# Altium PCB DIO_RJ45.PCBDOC (part 3 of 3) (continued)
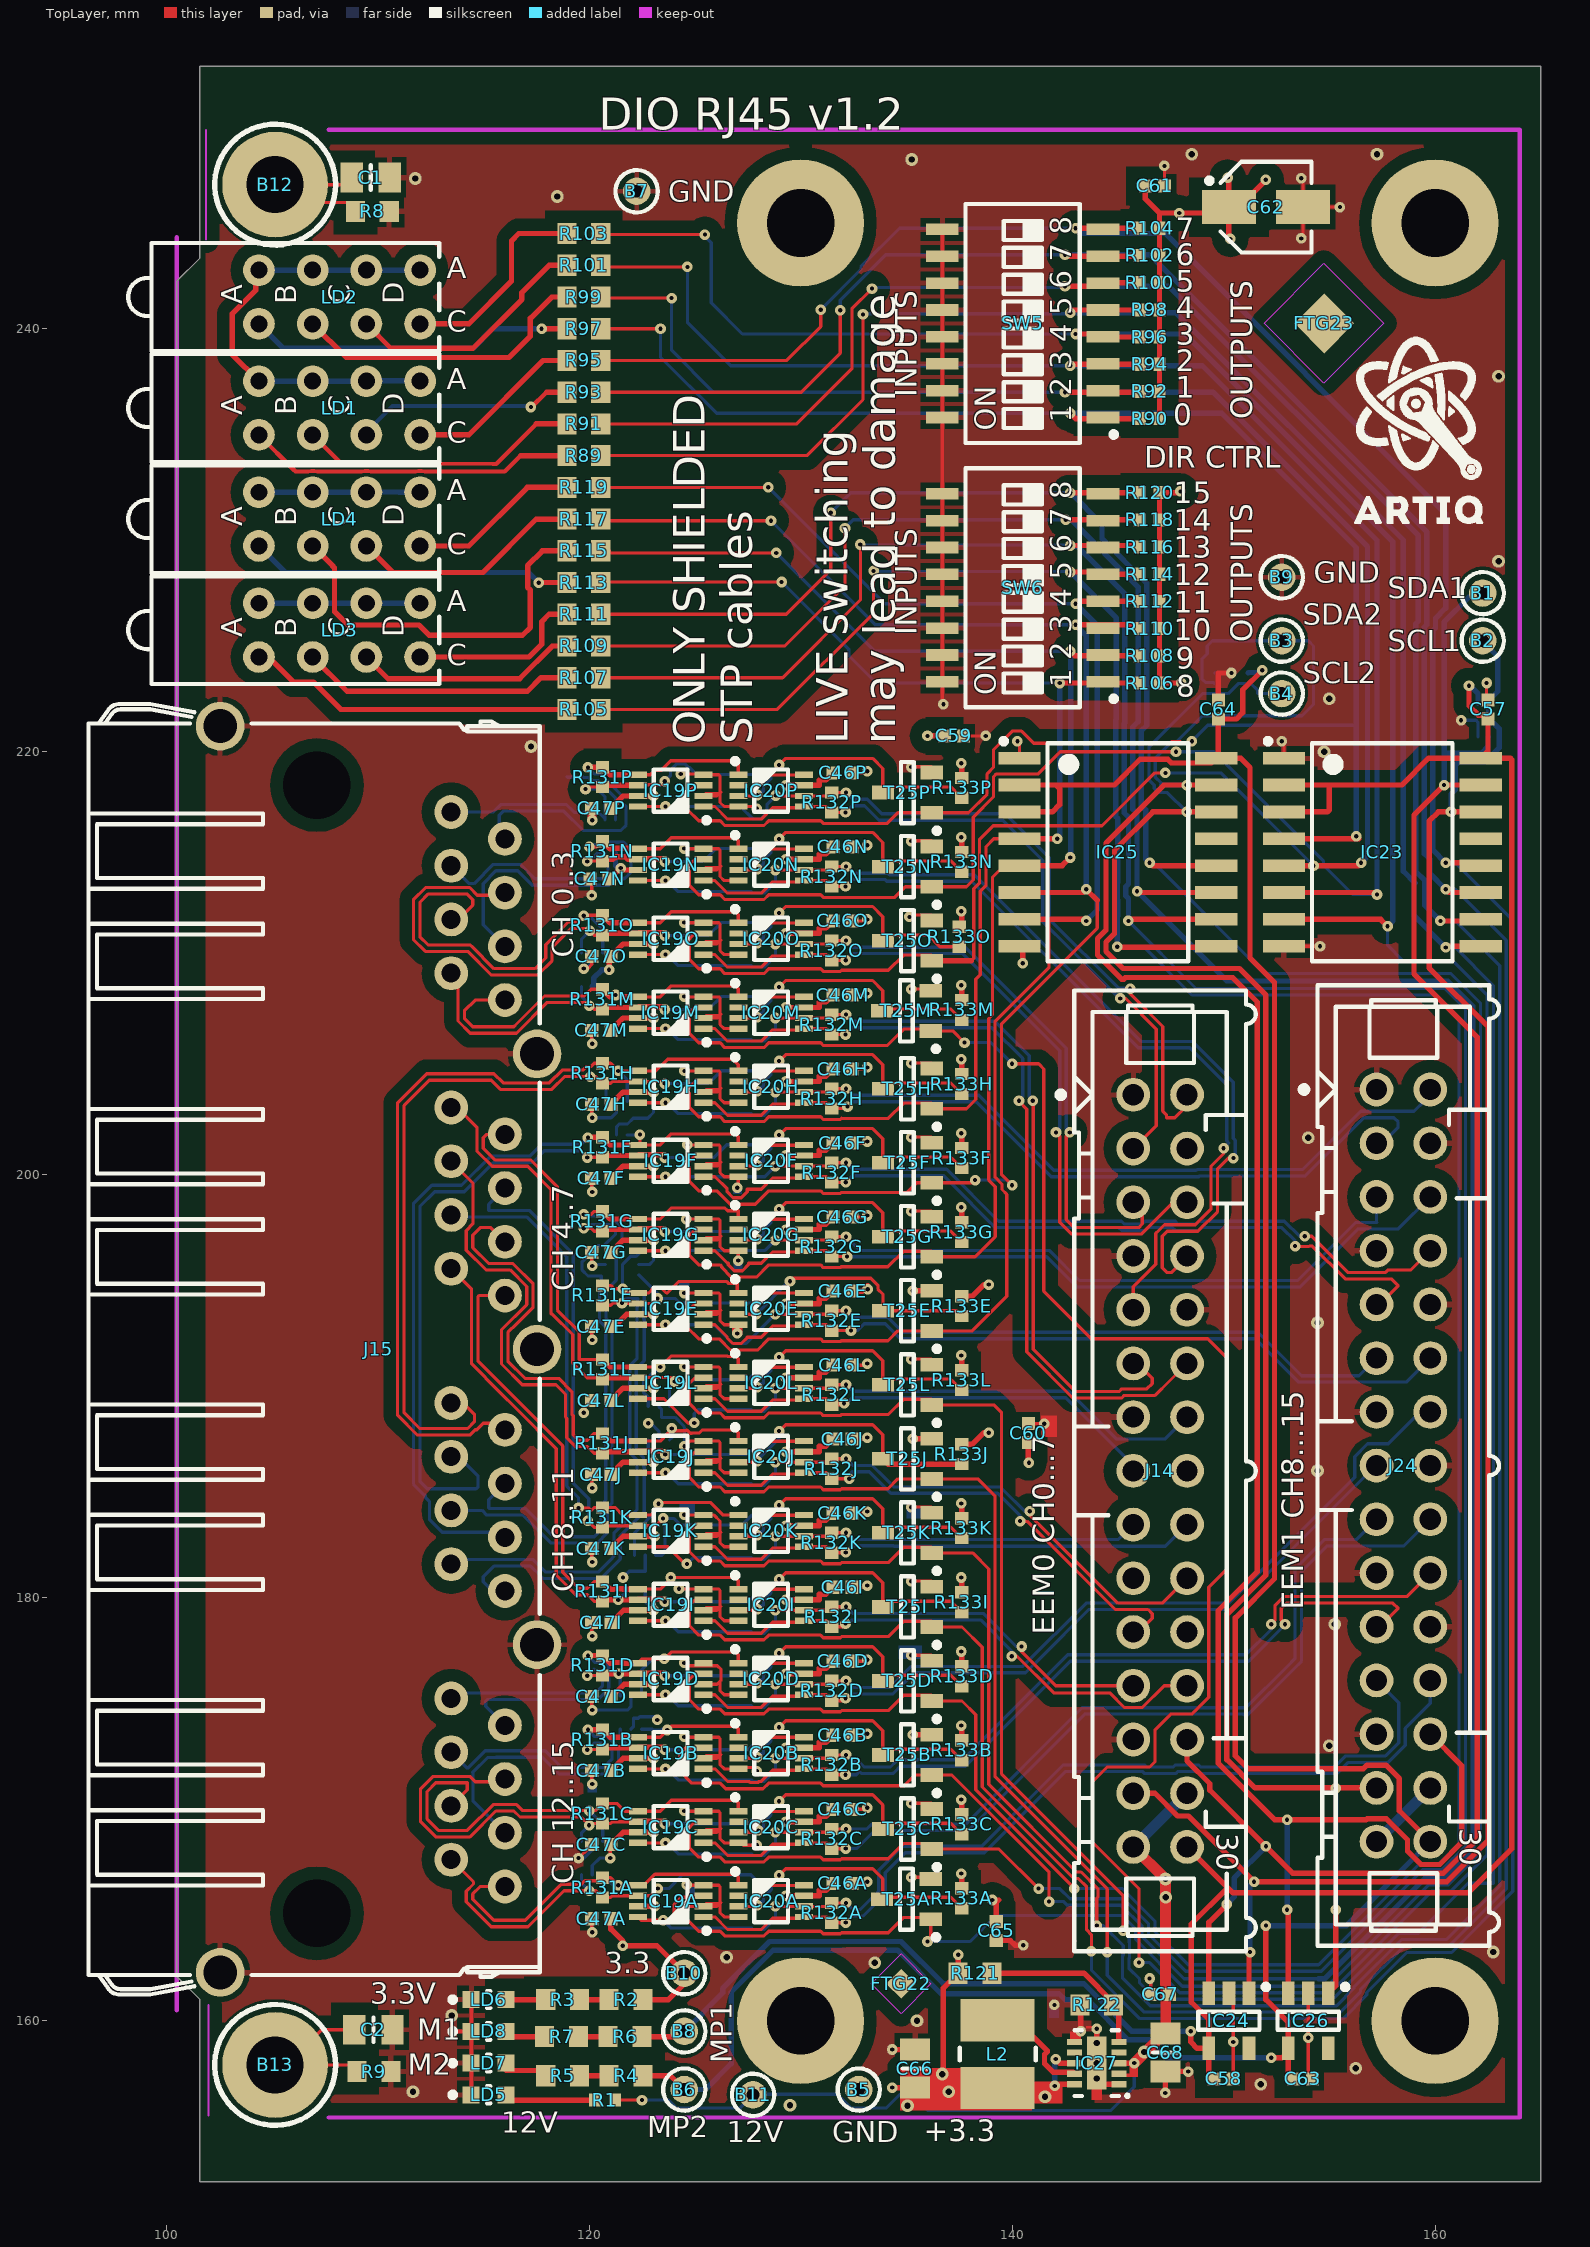
[diagram p0: TopLayer view]
## Nets (pads, with @x,y where several pads share a name; then routed paths per layer and width w, separated by ;. In a path a pad name is that pad's centre, name@x,y a point inside that pad or via, vN(x,y) a via of type N, cw(c..) or ccw(c..) an arc to the next point about the centre after c; other vN are vias at no path point) (continued)
NetIC20E_3: IC20E.3 R133E.1 T25E.3 | length 12.6
  TopLayer w0.152: IC20E.3@127.053,193.41 v1(127.896,193.41) ; v1(129.5,194.96) 129.652,195.112 133.325,195.112 133.657,194.781 133.657,194.593 133.896,194.354 T25E.3@133.896,193.569 137.373,193.569 R133E.1@137.62,193.321
  BottomLayer w0.152: v1(127.896,193.41) 129.446,194.96 v1(129.5,194.96)
NetIC20F_3: IC20F.3 R133F.1 T25F.3 | length 12.7
  TopLayer w0.152: IC20F.3@127.053,200.41 127.896,200.41 v1(127.943,200.457) ; v1(128.984,201.879) 129.289,202.184 133.404,202.184 133.88,201.708 133.88,200.838 137.104,200.838 R133F.1@137.487,200.454
  BottomLayer w0.152: v1(127.943,200.457) 128.121,200.634 128.248,200.634 128.248,200.872 128.599,201.224 128.599,201.494 v1(128.984,201.879)
NetIC20G_3: IC20G.3 R133G.1 T25G.3 | length 12.7
  TopLayer w0.152: IC20G.3@127.053,196.91 127.896,196.91 v1(127.943,196.957) ; v1(128.984,198.379) 129.289,198.684 133.404,198.684 133.88,198.208 133.88,197.338 137.104,197.338 R133G.1@137.487,196.954
  BottomLayer w0.152: v1(127.943,196.957) 128.121,197.134 128.248,197.134 128.248,197.372 128.599,197.724 128.599,197.994 v1(128.984,198.379)
NetIC20H_3: IC20H.3 R133H.1 T25H.3 | length 12.7
  TopLayer w0.152: IC20H.3@127.053,203.91 127.896,203.91 v1(127.943,203.957) ; v1(128.984,205.379) 129.289,205.684 133.404,205.684 133.88,205.208 133.88,204.338 137.104,204.338 R133H.1@137.487,203.954
  BottomLayer w0.152: v1(127.943,203.957) 128.121,204.134 128.248,204.134 128.248,204.372 128.599,204.724 128.599,204.994 v1(128.984,205.379)
NetIC20I_3: IC20I.3 R133I.1 T25I.3 | length 12.7
  TopLayer w0.152: IC20I.3@127.053,179.41 127.896,179.41 v1(127.943,179.457) ; v1(128.984,180.879) 129.289,181.184 133.404,181.184 133.88,180.708 133.88,179.838 137.104,179.838 R133I.1@137.487,179.454
  BottomLayer w0.152: v1(127.943,179.457) 128.121,179.634 128.248,179.634 128.248,179.872 128.599,180.224 128.599,180.494 v1(128.984,180.879)
NetIC20J_3: IC20J.3 R133J.1 T25J.3 | length 12.8
  TopLayer w0.152: IC20J.3@127.053,186.41 v1@127.896,186.41 ; v1(128.984,187.879) 129.289,188.184 133.404,188.184 133.88,187.708 133.88,186.838 T25J.3@133.896,186.838
  TopLayer w0.254: T25J.3@133.896,186.569 134.144,186.321 R133J.1@137.62,186.321 ; R133J.1@137.62,186.234 R133J.1@137.797,186.234
  BottomLayer w0.152: v1(127.943,186.457) 127.943,186.499 128.984,187.541 v1(128.984,187.879)
NetIC20K_3: IC20K.3 R133K.1 T25K.3 | length 12.7
  TopLayer w0.152: IC20K.3@127.053,182.91 127.896,182.91 v1(127.943,182.957) ; v1(128.984,184.379) 129.289,184.684 133.404,184.684 133.88,184.208 133.88,183.338 137.104,183.338 R133K.1@137.487,182.954
  BottomLayer w0.152: v1(127.943,182.957) 128.121,183.134 128.248,183.134 128.248,183.372 128.599,183.724 128.599,183.994 v1(128.984,184.379)
NetIC20L_3: IC20L.3 R133L.1 T25L.3 | length 12.7
  TopLayer w0.152: IC20L.3@127.053,189.91 127.896,189.91 v1(127.943,189.957) ; v1(128.984,191.379) 129.289,191.684 133.404,191.684 133.88,191.208 133.88,190.338 137.104,190.338 R133L.1@137.487,189.954
  BottomLayer w0.152: v1(127.943,189.957) 128.121,190.134 128.248,190.134 128.248,190.372 128.599,190.724 128.599,190.994 v1(128.984,191.379)
NetIC20M_3: IC20M.3 R133M.1 T25M.3 | length 12.7
  TopLayer w0.152: IC20M.3@127.053,207.41 127.896,207.41 v1(127.943,207.457) ; v1(128.984,208.879) 129.289,209.184 133.404,209.184 133.88,208.708 133.88,207.838 137.104,207.838 R133M.1@137.487,207.454
  BottomLayer w0.152: v1(127.943,207.457) 128.121,207.634 128.248,207.634 128.248,207.872 128.599,208.224 128.599,208.494 v1(128.984,208.879)
NetIC20N_3: IC20N.3 R133N.1 T25N.3 | length 12.7
  TopLayer w0.152: IC20N.3@127.053,214.41 127.896,214.41 v1(127.943,214.457) ; v1(128.984,215.879) 129.289,216.184 133.404,216.184 133.88,215.708 133.88,214.838 137.104,214.838 R133N.1@137.487,214.454
  BottomLayer w0.152: v1(127.943,214.457) 128.121,214.634 128.248,214.634 128.248,214.872 128.599,215.224 128.599,215.494 v1(128.984,215.879)
NetIC20O_3: IC20O.3 R133O.1 T25O.3 | length 12.8
  TopLayer w0.152: IC20O.3@127.053,210.91 127.896,210.91 v1(127.943,210.957) ; v1(128.984,212.379) 129.289,212.684 133.404,212.684 133.88,212.208 133.88,211.338 136.027,211.338 136.584,210.78 R133O.1@137.5,210.78
  BottomLayer w0.152: v1(127.943,210.957) 128.121,211.134 128.248,211.134 128.248,211.372 128.599,211.724 128.599,211.994 v1(128.984,212.379)
NetIC20P_3: IC20P.3 R133P.1 T25P.3 | length 12.7
  TopLayer w0.152: IC20P.3@127.053,217.91 127.896,217.91 v1(127.943,217.957) ; v1(128.984,219.379) 129.289,219.684 133.404,219.684 133.88,219.208 133.88,218.338 137.104,218.338 R133P.1@137.487,217.954
  BottomLayer w0.152: v1(127.943,217.957) 128.121,218.134 128.248,218.134 128.248,218.372 128.599,218.724 128.599,218.994 v1(128.984,219.379)
NetIC27_5: IC27.5 R121.1 R122.2 | length 8.3
  TopLayer w0.254: R121.1@139.05,162.25 143.388,162.25 144.8,160.838 R122.2@144.8,160.75 145.05,160.5 IC27.5@145.05,159
NetIC27_9: IC27.9 L2.1 | length 5.2
  TopLayer w0.254: L2.1@139.319,160.02 140.234,160.02 141.656,158.598 141.656,158.533 141.533,158.41 141.533,157.972 141.934,157.571 142.879,157.571 IC27.9@142.95,157.5
NetLD1_1: LD1.1 R89.1 | length 15.6
  TopLayer w0.203: LD1.1@104.39,234.98 106.061,233.31 106.12,233.25 106.712,233.25 cw(c106.93,232.27) 107.148,233.25 109.252,233.25 cw(c109.47,232.27) 109.688,233.25 111.792,233.25 cw(c112.01,232.27) 112.228,233.25 116.014,233.25 116.764,234
  TopLayer w0.254: 116.764,234 R89.1@118.95,234
NetLD1_3: LD1.3 R91.1 | length 13.4
  TopLayer w0.203: LD1.3@106.93,234.98 108.245,233.665 108.303,233.607 108.472,233.607 109.436,233.629 cw(c109.47,232.27) 109.473,233.63 112.007,233.63 cw(c112.01,232.27) 112.02,233.63 115.438,233.606 115.606,233.606 117.5,235.5
  TopLayer w0.254: 117.5,235.5 R91.1@118.95,235.5
NetLD1_5: LD1.5 R93.1 | length 10.4
  TopLayer w0.203: v1@117.267,236.283 117.983,237
  TopLayer w0.254: 117.983,237 R93.1@118.95,237
  BottomLayer w0.203: LD1.5@109.47,234.98 109.47,235.12 110.7,236.35 117.2,236.35 v1(117.25,236.3)
NetLD1_7: LD1.7 R95.1 | length 8.4
  TopLayer w0.254: LD1.7@112.01,234.98 114.31,234.98 117.83,238.5 R95.1@118.95,238.5
NetLD2_1: LD2.1 R97.1 | length 15.4
  TopLayer w0.254: v1(117.754,240.005) 117.759,240 R97.1@118.95,240
  BottomLayer w0.254: LD2.1@104.39,240.23 105.545,239.075 114.505,239.075 115.434,240.005 v1(117.754,240.005)
NetLD2_3: LD2.3 R99.1 | length 14.4
  TopLayer w0.254: LD2.3@106.93,240.23 108.52,238.64 116.212,238.64 117.225,239.653 117.225,240.488 118.237,241.5 R99.1@118.95,241.5
NetLD2_5: LD2.5 R101.1 | length 11.8
  TopLayer w0.254: LD2.5@109.47,240.23 110.623,239.077 114.507,239.077 116.819,241.389 116.819,241.709 118.11,243 R101.1@118.95,243
NetLD2_7: LD2.7 R103.1 | length 9.8
  TopLayer w0.254: LD2.7@112.01,240.23 114.31,240.23 116.332,242.252 116.332,244.157 116.674,244.5 R103.1@118.95,244.5
NetLD3_1: LD3.1 R105.1 | length 15.6
  TopLayer w0.254: LD3.1@104.39,224.48 104.842,224.48 106.022,223.3 106.962,223.3 108.262,222 R105.1@118.95,222
NetLD3_3: LD3.3 R107.1 | length 13
  TopLayer w0.254: LD3.3@106.93,224.48 108.55,222.86 117.089,222.86 117.729,223.5 R107.1@118.95,223.5
NetLD3_5: LD3.5 R109.1 | length 10.5
  TopLayer w0.254: LD3.5@109.47,224.48 110.5,223.45 116.712,223.45 118.262,225 R109.1@118.95,225
NetLD3_7: LD3.7 R111.1 | length 8.4
  TopLayer w0.254: LD3.7@112.01,224.48 117.157,224.48 117.754,225.077 117.754,226.144 118.11,226.5 R111.1@118.95,226.5
NetLD4_1: LD4.1 R113.1 | length 15.3
  TopLayer w0.254: v1(117.621,227.99) 117.612,228 R113.1@118.95,228
  BottomLayer w0.254: LD4.1@104.39,229.73 105.645,228.475 117.137,228.475 v1(117.621,227.99)
NetLD4_3: LD4.3 R115.1 | length 18.5
  TopLayer w0.254: LD4.3@106.93,229.73 107.885,228.775 107.959,228.701 107.959,226.625 108.594,225.991 111.955,225.991 112.445,225.501 116.84,225.501 117.221,225.882 117.221,227.642 117.092,227.771 117.092,228.799 117.792,229.5 R115.1@118.95,229.5
NetLD4_5: LD4.5 R117.1 | length 11
  TopLayer w0.254: LD4.5@109.47,229.73 110.725,228.475 114.975,228.475 117.5,231 R117.1@118.95,231
NetLD4_7: LD4.7 R119.1 | length 8.1
  TopLayer w0.254: LD4.7@112.01,229.73 114.31,229.73 117.08,232.5 R119.1@118.95,232.5
NetLD5_2: LD5.2 R1.1 | length 4.2
  TopLayer w0.254: LD5.2@116.075,156.25 R1.1@120.28,156.25
NetLD6_2: LD6.2 R3.2 | length 1.9
  TopLayer w0.254: LD6.2@116.075,161 R3.2@117.95,161
NetLD7_2: LD7.2 R5.2 | length 2
  TopLayer w0.254: LD7.2@116.075,157.65 117.7,157.65 R5.2@117.95,157.4
NetLD8_2: LD8.2 R7.2 | length 1.9
  TopLayer w0.254: LD8.2@116.025,159.25 R7.2@117.9,159.25
NetR2_2: R2.2 R3.1 | length 1.4
  TopLayer w0.254: R3.1@119.55,161 R2.2@120.95,161
NetR4_2: R4.2 R5.1 | length 1.4
  TopLayer w0.254: R5.1@119.55,157.4 R4.2@120.95,157.4
NetR6_2: R6.2 R7.1 | length 1.4
  TopLayer w0.254: R7.1@119.5,159.25 R6.2@120.9,159.25
P3V3: B10.1 C46A.2 C46B.2 C46C.2 C46D.2 C46E.2 C46F.2 C46G.2 C46H.2 C46I.2 C46J.2 C46K.2 C46L.2 C46M.2 C46N.2 C46O.2 C46P.2 C47A.2 C47B.2 C47C.2 C47D.2 C47E.2 C47F.2 C47G.2 C47H.2 C47I.2 C47J.2 C47K.2 C47L.2 C47M.2 C47N.2 C47O.2 C47P.2 C59.2 C60.2 C61.2 C62.1 C65.2 C66.2 D1.5 D2.5 D3.5 D4.5 D5.5 D6.5 D7.5 D8.5 IC19A.7 IC19B.7 IC19C.7 IC19D.7 IC19E.7 IC19F.7 IC19G.7 IC19H.7 IC19I.7 IC19J.7 IC19K.7 IC19L.7 IC19M.7 IC19N.7 IC19O.7 IC19P.7 IC20A.7 IC20B.7 IC20C.7 IC20D.7 IC20E.7 IC20F.7 IC20G.7 IC20H.7 IC20I.7 IC20J.7 IC20K.7 IC20L.7 IC20M.7 IC20N.7 IC20O.7 IC20P.7 IC27.8 IC27.10 L2.2 LD1.2 LD1.4 LD1.6 LD1.8 LD2.2 LD2.4 LD2.6 LD2.8 LD3.2 LD3.4 LD3.6 LD3.8 LD4.2 LD4.4 LD4.6 LD4.8 R2.1 R90.2 R92.2 R94.2 R96.2 R98.2 R100.2 R102.2 R104.2 R106.2 R108.2 R110.2 R112.2 R114.2 R116.2 R118.2 R120.2 R121.2 R133A.2 R133B.2 R133C.2 R133D.2 R133E.2 R133F.2 R133G.2 R133H.2 R133I.2 R133J.2 R133K.2 R133L.2 R133M.2 R133N.2 R133O.2 R133P.2 | length 198.7
  TopLayer w0.152: v1(120.995,167.691) 120.995,168.294 C47C.2@121.027,168.326
  TopLayer w0.254: LD1.2@104.39,237.52 103.125,238.785 103.125,240.7 104.247,241.822 104.247,242.627 LD2.2@104.39,242.77 ; v1(120.945,209.691) 120.945,210.244 121.611,210.91 v1(123.045,210.91) ; C47N.2@120.95,213.992 120.992,213.992 v1(121.497,214.497) ; C47A.2@121.027,164.826 121.027,164.334 121.593,163.768 v1(121.593,163.551) 123.199,163.551 B10.1@124.5,162.25 124.5,161.75 123.75,161 R2.1@122.55,161 ; C47C.2@121.027,168.326 121.611,168.91 IC19C.7@122.304,168.91 v1(123.045,168.91) ; C47B.2@121.027,171.826 121.611,172.41 v1(123.045,172.41) ; C47D.2@121.027,175.326 121.064,175.326 121.649,175.91 IC19D.7@122.304,175.91 v1(123.045,175.91) ; C47I.2@121.027,178.826 121.049,178.826 121.633,179.41 IC19I.7@122.304,179.41 v1(123.045,179.41) ; C47K.2@121.027,182.326 121.611,182.91 IC19K.7@122.304,182.91 v1(123.106,182.91) ; C47J.2@121.027,185.826 121.611,186.41 IC19J.7@122.304,186.41 v1(123.045,186.41) ; C47L.2@121.027,189.326 121.611,189.91 IC19L.7@122.304,189.91 v1(123.045,189.91) ; C47E.2@121.027,192.826 121.199,192.826 121.783,193.41 IC19E.7@122.304,193.41 v1(123.045,193.41) ; C47G.2@121.027,196.326 121.611,196.91 v1(123.045,196.91) ; C47F.2@121.027,199.826 121.611,200.41 IC19F.7@122.304,200.41 v1(123.045,200.41) ; C47H.2@121.027,203.326 121.611,203.91 IC19H.7@122.304,203.91 v1(123.045,203.91) ; C47M.2@121.027,206.826 121.611,207.41 IC19M.7@122.304,207.41 v1(123.045,207.41) ; C47N.2@121.027,213.826 C47N.2@121.072,213.87 ; C47P.2@121.027,217.326 121.611,217.91 IC19P.7@122.304,217.91 v1(123.045,217.91) ; v1@121.611,214.41 IC19N.7@122.304,214.41 ; IC19A.7@122.304,165.41 v1(123.106,165.41) ; v1(129.311,165.91) IC20A.7@130.153,165.91 130.884,165.91 130.884,166.166 131.199,166.166 C46A.2@131.532,166.498 ; v1(129.311,169.41) IC20C.7@130.153,169.41 130.884,169.41 130.884,169.666 131.199,169.666 C46C.2@131.532,169.998 ; v1(129.311,172.91) IC20B.7@130.153,172.91 130.884,172.91 130.884,173.166 131.199,173.166 C46B.2@131.532,173.498 ; v1(129.311,176.41) IC20D.7@130.153,176.41 130.884,176.41 130.884,176.666 131.199,176.666 C46D.2@131.532,176.998 ; v1(129.311,179.91) IC20I.7@130.153,179.91 130.884,179.91 130.884,180.166 131.199,180.166 C46I.2@131.532,180.498 ; v1(129.311,183.41) IC20K.7@130.153,183.41 130.884,183.41 130.884,183.666 131.199,183.666 C46K.2@131.532,183.998 ; v1(129.311,186.91) IC20J.7@130.153,186.91 130.884,186.91 130.884,187.166 131.199,187.166 C46J.2@131.532,187.498 ; v1(129.311,190.41) IC20L.7@130.153,190.41 130.884,190.41 130.884,190.666 131.199,190.666 C46L.2@131.532,190.998 ; v1(129.311,193.91) IC20E.7@130.153,193.91 130.884,193.91 130.884,194.166 131.199,194.166 C46E.2@131.532,194.498 ; v1(129.311,197.41) IC20G.7@130.153,197.41 130.884,197.41 130.884,197.666 131.199,197.666 C46G.2@131.532,197.998 ; v1(129.311,200.91) IC20F.7@130.153,200.91 130.884,200.91 130.884,201.166 131.199,201.166 C46F.2@131.532,201.498 ; v1(129.311,204.41) IC20H.7@130.153,204.41 130.884,204.41 130.884,204.666 131.199,204.666 C46H.2@131.532,204.998 ; v1(129.311,207.91) IC20M.7@130.153,207.91 130.884,207.91 130.884,208.166 131.199,208.166 C46M.2@131.532,208.498 ; v1(129.311,211.41) 130.884,211.41 130.884,211.666 131.199,211.666 C46O.2@131.532,211.998 ; v1(129.311,214.91) IC20N.7@130.153,214.91 130.884,214.91 130.884,215.166 131.199,215.166 C46N.2@131.532,215.498 ; v1(129.311,218.41) IC20P.7@130.153,218.41 130.884,218.41 130.884,218.666 131.199,218.666 C46P.2@131.532,218.998 ; v1(134.33,156.843) C66.2@135.407,156.843 ; v1(136,220.75) C59.2@136.8,220.75 ; v1(137.45,163.127) R121.2@137.45,162.25 136.75,161.55 136.75,157.407 137.338,156.82 L2.2@139.319,156.82 ; v1(137.595,166.959) 137.62,166.934 R133A.2@137.62,166.261 ; v1(137.595,170.459) 137.62,170.434 R133C.2@137.62,169.761 ; v1(137.595,173.959) 137.62,173.934 R133B.2@137.62,173.261 ; v1(137.595,177.459) 137.62,177.434 R133D.2@137.62,176.761 ; v1(137.595,180.959) 137.62,180.934 R133I.2@137.62,180.261 ; v1(137.595,184.459) 137.62,184.434 R133K.2@137.62,183.761 ; v1(137.595,191.459) 137.62,191.434 R133L.2@137.62,190.761 ; v1(137.595,198.459) 137.62,198.434 R133G.2@137.62,197.761 ; v1(137.595,201.959) 137.62,201.934 R133F.2@137.62,201.261 ; v1(137.595,205.459) 137.62,205.434 R133H.2@137.62,204.761 ; v1(137.595,208.959) 137.62,208.934 R133M.2@137.62,208.261 ; v1(137.595,212.459) 137.62,212.434 R133O.2@137.62,211.761 ; v1(137.595,215.959) 137.62,215.934 R133N.2@137.62,215.261 ; v1(137.595,219.459) 137.62,219.434 R133P.2@137.62,218.761 ; R133J.2@137.62,187.261 138.122,187.261 138.668,187.807 v1(138.895,187.807) ; R133E.2@137.62,194.261 138.122,194.261 138.668,194.807 v1(138.895,194.807) ; L2.2@138.25,156.9 139.599,156.9 L2.2@139.519,156.82 ; v1(139.065,165.71) 139.36,165.71 139.25,165.6 C65.2@139.25,164.7 ; L2.2@139.599,156.9 139.499,157 IC27.10@142.95,157 ; C60.2@140.767,187.332 140.767,186.411 v1(140.792,186.385) ; v1(142.062,158.191) 142.253,158 IC27.8@142.95,158 ; C61.2@146.3,246.75 146.3,246.14 146.97,245.47 ; R90.2@146.97,235.75 R92.2@146.97,237.036 R94.2@146.97,238.321 R96.2@146.97,239.607 R98.2@146.97,240.893 R100.2@146.97,242.179 R102.2@146.97,243.464 R104.2@146.97,244.75 146.97,245.47 ; v1(147.955,232.308) 147.897,232.25 R120.2@146.97,232.25 R118.2@146.97,230.964 R116.2@146.97,229.679 R114.2@146.97,228.393 R112.2@146.97,227.107 R110.2@146.97,225.821 R108.2@146.97,224.536 R106.2@146.97,223.25 v1(148,223.25) ; v1(150.19,247.145) 150.25,247.086 C62.1@150.25,245.75 ; v1(150.317,244.246) 150.25,244.314 C62.1@150.25,245.75 ; v1(151.994,247.04) 150.703,245.75 C62.1@150.25,245.75 ; 146.97,245.47 v1(147.904,245.47) 149.97,245.47 C62.1@150.25,245.75
  BottomLayer w0.152: D8.5@120.145,166.901 120.145,167.341 120.495,167.691 v1(120.995,167.691) ; D5.5@121.3,201.885 121.3,202.277 121.421,202.399 121.814,202.399 122.09,202.675 122.775,202.675 123.045,202.945 v1(123.045,203.91) ; D7.5@121.975,173.785 122.096,173.906 122.096,174.299 122.324,174.299 122.4,174.375 123.075,174.375 v1(123.225,174.225) ; D6.5@122.345,195.764 122.864,195.764 123.045,195.945 v1(123.045,196.91) ; D4.5@122.65,180.435 122.65,179.805 v1(123.045,179.41) ; v1(122.8,188.25) 122.925,188.25 123.3,187.875 D3.5@123.3,187.46
  BottomLayer w0.254: LD3.2@104.39,227.02 LD3.6@109.47,227.02 109.47,227.025 111.004,227.025 111.009,227.02 LD3.8@112.01,227.02 ; LD4.2@104.39,232.27 LD4.6@109.47,232.27 109.47,232.283 110.996,232.283 111.009,232.27 LD4.8@112.01,232.27 ; LD1.2@104.39,237.52 LD1.6@109.47,237.52 109.491,237.541 111.989,237.541 LD1.8@112.01,237.52 ; LD2.2@104.39,242.77 LD2.6@109.47,242.77 109.47,242.773 110.473,242.773 110.476,242.77 LD2.8@112.01,242.77 ; LD1.4@106.93,237.495 LD1.4@106.93,237.52 ; D2.5@120.145,208.901 120.216,208.971 120.216,209.301 120.605,209.691 v1(120.945,209.691) ; D1.5@121.25,215.21 121.25,214.612 121.365,214.497 v1(121.497,214.497) ; v1(142.011,156.921) 142.011,158.14 v1(142.062,158.191)
  other v2: 135.052,155.981 141.554,156.413 137.008,156.642 137.008,156.642 136.703,157.48
P3V3_MP1: B8.1 C57.2 C58.2 D9.5 IC23.2 IC23.3 IC23.16 IC24.4 J14.30 R6.1 | length 129.9
  TopLayer w0.254: R6.1@122.5,159.25 124.25,159.25 B8.1@124.5,159.5 ; J14.30@148.27,168.22 150.25,166.24 ; v1(148.45,159.5) 148.45,159 148.75,158.7 IC24.4@149.3,158.7 ; C58.2@149.55,157.25 149.3,157.5 IC24.4@149.3,158.7 ; IC23.3@152.85,217.155 154.905,217.155 155,217.25 155,218.425 ; IC23.2@152.85,218.425 158.425,218.425 159.695,219.695 IC23.16@162.15,219.695 ; v1(161.6,223.125) 161.6,222.175 162.042,221.733 162.317,221.733 C57.2@162.5,221.55 162.5,220.045 IC23.16@162.15,219.695 ; IC24.4@149.3,158.7 149.3,160.055 148.47,160.885 148.47,164.569 150.141,166.24 150.25,166.24 ; 150.25,166.24 150.442,166.048 161.548,166.048 163.619,168.119 163.619,219.631 163.555,219.695 IC23.16@162.15,219.695
  BottomLayer w0.254: B8.1@124.5,159.5 126.314,161.314 126.314,161.527 128.538,163.75 134.75,163.75 136.75,161.75 143.4,161.75 145.643,159.507 146.662,159.507 146.669,159.5 v1(148.45,159.5) ; v1(161.6,223.125) 161.655,223.125 162.025,222.755 D9.5@162.025,222.28
P3V3_MP2: B6.1 C63.2 C64.2 D10.5 IC25.2 IC25.3 IC25.16 IC26.4 J24.30 R4.1 | length 135.9
  TopLayer w0.254: R4.1@122.55,157.4 123.85,157.4 B6.1@124.5,156.75 ; IC25.3@140.35,217.155 141.905,217.155 142.25,217.5 142.25,218.25 142.075,218.425 ; IC25.2@140.35,218.425 142.075,218.425 ; v1(151.825,223.85) 150.9,222.925 150.9,221.85 150.6,221.55 C64.2@149.75,221.55 149.75,219.795 IC25.16@149.65,219.695 ; v1(152,164.5) 152,161 153.05,159.95 IC26.4@153.05,158.7 IC26.4@153.05,158.55 ; v1(152.25,158.25) 152.75,158.25 IC26.4@153.05,158.55 ; C63.2@153.3,157.25 153.05,157.5 IC26.4@153.05,158.55 ; J24.30@159.77,168.47 158.309,169.931 158.309,171.457 157.677,172.089 156.783,172.089 156.612,171.918 151.156,171.918 150.556,172.519 150.556,179.05 152.406,180.901 152.406,209.094 151.25,210.25 151.25,219.25 150.805,219.695 IC25.16@149.65,219.695 ; 142.075,218.425 144.831,218.425 146.051,219.644 147.357,219.644 147.531,219.471 149.426,219.471 IC25.16@149.65,219.695
  BottomLayer w0.254: B6.1@124.5,156.75 125.5,156.75 126.721,157.971 126.721,161.358 128.706,163.344 134.571,163.344 136.635,161.279 142.219,161.279 142.498,161 143.575,161 145.475,159.101 146.493,159.101 146.833,158.761 146.833,158.667 147.25,158.25 v1(152.25,158.25) ; D10.5@151.158,223.724 151.181,223.747 151.656,223.747 151.758,223.85 v1(151.825,223.85) ; v1(152,164.5) 155.8,164.5 J24.30@159.77,168.47
P12V0: B11.1 C67.2 C68.2 IC27.2 IC27.3 J14.28 J14.29 J24.28 J24.29 R1.2 | length 46.9
  TopLayer w0.152: R1.2@121.22,156.25 v1(122.5,156.25)
  TopLayer w0.254: IC27.3@145.05,158 v1(145.777,158)
  TopLayer w0.508: J14.29@145.73,168.22 v2(147.25,166.7) 147.25,161.745 147.266,161.745 147.266,159.416 C68.2@147.25,159.4 147.183,159.4 145.783,158 v1(145.777,158)
  BottomLayer w0.152: v1(122.5,156.25) 123.757,156.25 124.136,155.871 127.121,155.871 B11.1@127.75,156.5 127.778,156.528 131.729,156.528 132.386,155.871 134.036,155.871 134.675,156.51 135.271,156.51 136.028,155.753 144.653,155.753 145.777,156.877 v1(145.777,158)
  BottomLayer w0.508: J14.29@145.73,168.22 J14.28@148.27,170.76 ; J24.29@157.23,168.47 J24.28@159.77,171.01
  other v2: 146.253,158.521 147.269,165.837
pads on no net: D9.3 D9.4 D10.3 D10.4 FTG21.FTG2 FTG22.1 FTG23.1 FTG24.1 IC20A.2 IC20B.2 IC20C.2 IC20D.2 IC20E.2 IC20F.2 IC20G.2 IC20H.2 IC20I.2 IC20J.2 IC20K.2 IC20L.2 IC20M.2 IC20N.2 IC20O.2 IC20P.2 IC23.13 IC24.5 IC25.13 IC26.5 IC27.4 IC27.7 J15.M1 J15.M2

## Polygon pours and split planes (outlines as drawn)
GND on TopLayer "Top Overlay-No Net" (solid, remove dead copper, pour order 0): 165,249.4 165,155.4 101.879,155.4 101.879,249.4
GND on BottomLayer "Top Overlay-No Net" (solid, remove dead copper, pour order 2): 165.006,155.55 101.27,155.55 101.27,249.375 165.195,249.375
GND on Internal Plane 1 (split plane): 164.49,152.91 102.11,152.91 102.11,161 102.101,161.1 102.072,161.195 102.024,161.284 101.961,161.361 101.01,162.311 101.01,242.039 101.961,242.989 102.024,243.066 102.072,243.155 102.101,243.25 102.11,243.35 102.11,251.889 164.49,251.889
P12V0 on Internal Plane 2 (split plane): 161.849,170.937 161.849,167.313 159.937,165.401 150.25,165.401 150.211,165.396 150.174,165.381 150.143,165.357 148.614,163.828 148.59,163.796 148.574,163.76 148.569,163.721 148.569,156.783 147.36,155.574 144.222,155.574 143.208,156.588 143.208,158.143 143.203,158.182 143.188,158.219 143.164,158.25 142.577,158.837 142.546,158.861 142.51,158.876 142.47,158.881 140.915,158.881 139.901,159.895 139.901,167.187 144.563,171.849 160.937,171.849
P3V3 on Internal Plane 2 (split plane): 164.49,152.91 102.11,152.91 102.11,161 102.101,161.1 102.072,161.195 102.024,161.284 101.961,161.361 101.01,162.311 101.01,242.039 101.961,242.989 102.024,243.066 102.072,243.155 102.101,243.25 102.11,243.35 102.11,251.889 164.49,251.889

## Keep-outs
KeepOutLayer:
  lines w0.1: 101.879,244.229 101.879,249.4 ; 102,155.521 102,160.75
  lines w0.203: 100.5,160.503 100.5,244.323 ; 107.696,155.423 164,155.423 164,249.403 107.696,249.403

## Other copper
TopLayer:
  rectangle net GND: 141.375,187.6 142.125,188.625
  rectangle net GND: 141.5,187.788 141.677,188.5
  rectangle net P12V0: 145.05,157.353 145.948,157.5
  rectangle net P12V0: 145.542,157.378 145.948,158.039
  rectangle net GND: 142.748,158.979 143.25,159.5
  rectangle net GND: 126.746,192.456 127.254,192.862
  rectangle net P3V3: 134.696,155.753 140.945,157.759
  rectangle net P3V3: 140.132,156.083 142.392,157.074
  rectangle net LVDS4_N: 131.699,189.198 132.055,189.306
  rectangle net GND: 143.75,156.25 144.25,157
  rectangle net GND: 143.5,159.627 144,159.75
  rectangle net GND: 119.925,216.775 120.35,217.275
BottomLayer:
  rectangle net GND: 134.628,177.111 135.75,177.75
  rectangle net GND: 124.541,165.836 125,166.422
  rectangle net GND: 135,183.75 135.75,184.25
  rectangle net GND: 124.25,194.41 124.75,194.96
  rectangle net GND: 126.82,195.5 127.25,195.86
  rectangle net GND: 119.925,170.796 120.375,171.2
  rectangle net GND: 126.8,199.1 127.225,199.425
  rectangle net GND: 141.75,160.125 142.225,160.8
  rectangle net GND: 124.275,183.925 125,184.5
Internal Plane 2 (plane layer: these items are gaps in the copper):
  lines w0.3: 139.75,159.832 140.852,158.73 142.47,158.73 143.057,158.143 143.057,156.525 144.159,155.423 147.423,155.423 148.721,156.721 148.721,163.721 150.25,165.25 160,165.25 162,167.25 162,171 161,172 147,172 144.5,172 139.75,167.25 139.75,159.832

## Silkscreen, mask and mechanical layers (free items; w line width, h text height)
TopOverlay:
  drawing of 1239 lines, arcs and shapes, not listed
  text "DIO RJ45 v1.2" at 120.45,249.4 h1.52
  text "GND" at 123.75,246 h1
  text "7" at 147.728,244.242 h1.02
  text "6" at 147.728,242.99 h1.02
  text "5" at 147.728,241.738 h1.02
  text "4" at 147.728,240.486 h1.02
  text "3" at 147.728,239.234 h1.02
  text "2" at 147.728,237.982 h1.02
  text "INPUTS" at 135.5,236.75 h1.02 r90
  text "1" at 147.728,236.731 h1.02
  text "OUTPUTS" at 151.359,235.712 h1.02 r90
  text "0" at 147.625,235.425 h1.02
  text "DIR CTRL" at 146.253,233.426 h1.02
  text "15" at 147.649,231.755 h1.02
  text "14" at 147.649,230.459 h1.02
  text "13" at 147.649,229.164 h1.02
  text "GND" at 154.25,228 h1
  text "12" at 147.649,227.868 h1.02
  text "SDA1" at 157.75,227.25 h1
  text "11" at 147.649,226.573 h1.02
  text "SDA2" at 153.75,226 h1
  text "INPUTS" at 135.5,225.5 h1.02 r90
  text "10" at 147.649,225.278 h1.02
  text "OUTPUTS" at 151.359,225.171 h1.02 r90
  text "SCL1" at 157.75,224.75 h1
  text "9" at 147.725,223.925 h1.02
  text "SCL2" at 153.75,223.25 h1
  text "8" at 147.75,222.6 h1.02
  text "ONLY SHIELDED  / STP cables /  / LIVE switching  / may lead to damage" at 134.475,220.35 h1.5 r90
  text "CH 0..3" at 119.25,210.25 h1 r90
  text "CH 4..7" at 119.25,194.5 h1 r90
  text "CH 8..11" at 119.25,180.27 h1 r90
  text "EEM1 CH8...15" at 153.775,179.425 h1.02 r90
  text "EEM0 CH0...7" at 142.003,178.253 h1.02 r90
  text "CH 12..15" at 119.25,166.451 h1 r90
  text "3.3" at 120.75,162.25 h1
  text "3.3V" at 109.65,160.8 h1
  text "M1" at 111.875,159.1 h1
  text "MP1" at 126.75,158 h1 r90
  text "M2" at 111.425,157.45 h1
  text "12V" at 115.85,154.7 h1
  text "MP2" at 122.75,154.5 h1
  text "+3.3" at 135.825,154.3 h1.02
  text "12V" at 126.5,154.25 h1
  text "GND" at 131.5,154.25 h1
BottomOverlay:
  drawing of 1237 lines, arcs and shapes, not listed
  text "DIO RJ45 v1.2" at 143.725,249.475 h1.52
Mechanical1:
  the board outline again, w0.508
DrillDrawing:
  drawing of 295 lines, arcs and shapes, not listed
  text "Board Layer Stack" at 170.269,238.807 h1.52 r90
  text "Constant" at 170.269,224.333 h1.52 r90
  text "3.5" at 176.365,224.333 h1.52 r90
  text "4.8" at 182.461,224.333 h1.52 r90
  text "4.2" at 188.557,224.333 h1.52 r90
  text "4.2" at 194.653,224.333 h1.52 r90
  text "3.5" at 200.749,224.333 h1.52 r90
  text "Thickness" at 170.269,207.827 h1.52 r90
  text "2.09mil" at 176.365,207.827 h1.52 r90
  text "1.40mil" at 179.413,207.827 h1.52 r90
  text "14.17mil" at 182.461,207.827 h1.52 r90
  text "1.42mil" at 185.509,207.827 h1.52 r90
  text "23.62mil" at 188.557,207.827 h1.52 r90
  text "1.42mil" at 191.605,207.827 h1.52 r90
  text "14.17mil" at 194.653,207.827 h1.52 r90
  text "1.40mil" at 197.701,207.827 h1.52 r90
  text "2.09mil" at 200.749,207.827 h1.52 r90
  text "Material" at 170.269,185.989 h1.52 r90
  text "Solder Resist" at 176.365,185.989 h1.52 r90
  text "Copper" at 179.413,185.989 h1.52 r90
  text "FR-4" at 182.461,185.989 h1.52 r90
  text "Copper" at 185.509,185.989 h1.52 r90
  text "Copper" at 191.605,185.989 h1.52 r90
  text "FR-4" at 194.653,185.989 h1.52 r90
  text "Copper" at 197.701,185.989 h1.52 r90
  text "Solder Resist" at 200.749,185.989 h1.52 r90
  text "Name" at 170.269,159.58 h1.52 r90
  text "TopOverlay" at 173.317,159.58 h1.52 r90
  text "TopSolder" at 176.365,159.58 h1.52 r90
  text "TopLayer" at 179.413,159.58 h1.52 r90
  text "Dielectric1" at 182.461,159.58 h1.52 r90
  text "Internal Plane 2" at 185.509,159.58 h1.52 r90
  text "Dielectric 4" at 188.557,159.58 h1.52 r90
  text "Internal Plane 1" at 191.605,159.58 h1.52 r90
  text "Dielectric2" at 194.653,159.58 h1.52 r90
  text "BottomLayer" at 197.701,159.58 h1.52 r90
  text "BottomSolder" at 200.749,159.58 h1.52 r90
  text "BottomOverlay" at 203.797,159.58 h1.52 r90
  text "Layer" at 170.269,149.169 h1.52 r90
  text "1" at 179.413,149.169 h1.52 r90
  text "2" at 185.509,149.169 h1.52 r90
  text "3" at 191.605,149.169 h1.52 r90
  text "4" at 197.701,149.169 h1.52 r90

## Text inside footprints (layer, text, board x,y; h text height)
J14: TopOverlay "30" at 149.667,168.855 h1.02 r270; Mechanical14 "30" at 149.667,168.855 h1.02 r270
J24: TopOverlay "30" at 161.167,169.105 h1.02 r270; Mechanical14 "30" at 161.167,169.105 h1.02 r270
LD1: TopOverlay "D" at 111.229,235.919 h1 r90; TopOverlay "C" at 108.689,235.919 h1 r90; TopOverlay "B" at 106.149,235.919 h1 r90; TopOverlay "A" at 103.609,235.919 h1 r90; TopOverlay "A" at 113.28,237.139 h1; TopOverlay "C" at 113.28,234.599 h1; Mechanical14 "D" at 111.229,235.919 h1 r90; Mechanical14 "C" at 108.689,235.919 h1 r90; Mechanical14 "B" at 106.149,235.919 h1 r90; Mechanical14 "A" at 103.609,235.919 h1 r90; Mechanical14 "C" at 113.28,234.599 h1; Mechanical14 "A" at 113.28,237.139 h1
LD2: TopOverlay "D" at 111.229,241.169 h1 r90; TopOverlay "C" at 108.689,241.169 h1 r90; TopOverlay "B" at 106.149,241.169 h1 r90; TopOverlay "A" at 103.609,241.169 h1 r90; TopOverlay "A" at 113.28,242.389 h1; TopOverlay "C" at 113.28,239.849 h1; Mechanical14 "D" at 111.229,241.169 h1 r90; Mechanical14 "C" at 108.689,241.169 h1 r90; Mechanical14 "B" at 106.149,241.169 h1 r90; Mechanical14 "A" at 103.609,241.169 h1 r90; Mechanical14 "C" at 113.28,239.849 h1; Mechanical14 "A" at 113.28,242.389 h1
LD3: TopOverlay "D" at 111.229,225.419 h1 r90; TopOverlay "C" at 108.689,225.419 h1 r90; TopOverlay "B" at 106.149,225.419 h1 r90; TopOverlay "A" at 103.609,225.419 h1 r90; TopOverlay "A" at 113.28,226.639 h1; TopOverlay "C" at 113.28,224.099 h1; Mechanical14 "D" at 111.229,225.419 h1 r90; Mechanical14 "C" at 108.689,225.419 h1 r90; Mechanical14 "B" at 106.149,225.419 h1 r90; Mechanical14 "A" at 103.609,225.419 h1 r90; Mechanical14 "C" at 113.28,224.099 h1; Mechanical14 "A" at 113.28,226.639 h1
LD4: TopOverlay "D" at 111.229,230.669 h1 r90; TopOverlay "C" at 108.689,230.669 h1 r90; TopOverlay "B" at 106.149,230.669 h1 r90; TopOverlay "A" at 103.609,230.669 h1 r90; TopOverlay "A" at 113.28,231.889 h1; TopOverlay "C" at 113.28,229.349 h1; Mechanical14 "D" at 111.229,230.669 h1 r90; Mechanical14 "C" at 108.689,230.669 h1 r90; Mechanical14 "B" at 106.149,230.669 h1 r90; Mechanical14 "A" at 103.609,230.669 h1 r90; Mechanical14 "C" at 113.28,229.349 h1; Mechanical14 "A" at 113.28,231.889 h1
SW5: TopOverlay "8" at 142.786,244.441 h1 r90; TopOverlay "7" at 142.786,243.171 h1 r90; TopOverlay "6" at 142.786,241.901 h1 r90; TopOverlay "5" at 142.786,240.631 h1 r90; TopOverlay "4" at 142.786,239.361 h1 r90; TopOverlay "3" at 142.786,238.091 h1 r90; TopOverlay "ON" at 139.23,235.17 h1 r90; TopOverlay "2" at 142.786,236.821 h1 r90; TopOverlay "1" at 142.786,235.551 h1 r90; Mechanical14 "8" at 142.776,244.441 h1 r90; Mechanical14 "7" at 142.776,243.171 h1 r90; Mechanical14 "6" at 142.776,241.901 h1 r90; Mechanical14 "5" at 142.776,240.631 h1 r90; Mechanical14 "4" at 142.776,239.361 h1 r90; Mechanical14 "3" at 142.776,238.091 h1 r90; Mechanical14 "ON" at 139.22,235.17 h1 r90; Mechanical14 "2" at 142.776,236.821 h1 r90; Mechanical14 "1" at 142.776,235.551 h1 r90
SW6: TopOverlay "8" at 142.786,231.941 h1 r90; TopOverlay "7" at 142.786,230.671 h1 r90; TopOverlay "6" at 142.786,229.401 h1 r90; TopOverlay "5" at 142.786,228.131 h1 r90; TopOverlay "4" at 142.786,226.861 h1 r90; TopOverlay "3" at 142.786,225.591 h1 r90; TopOverlay "ON" at 139.23,222.67 h1 r90; TopOverlay "2" at 142.786,224.321 h1 r90; TopOverlay "1" at 142.786,223.051 h1 r90; Mechanical14 "8" at 142.776,231.941 h1 r90; Mechanical14 "7" at 142.776,230.671 h1 r90; Mechanical14 "6" at 142.776,229.401 h1 r90; Mechanical14 "5" at 142.776,228.131 h1 r90; Mechanical14 "4" at 142.776,226.861 h1 r90; Mechanical14 "3" at 142.776,225.591 h1 r90; Mechanical14 "ON" at 139.22,222.67 h1 r90; Mechanical14 "2" at 142.776,224.321 h1 r90; Mechanical14 "1" at 142.776,223.051 h1 r90